# Altium PCB 6 Layers Motherboard.PcbDoc (part 2 of 2)
Units mm, origin at the board's own origin, x right, y up, seen from the top; angles counter-clockwise.
Board outline 83.25 x 83.25 mm, 6 copper layers (Top Layer, Int1 (GND), Int2 (Sign), Int3 (Sign), Int4 (PWR), Bottom Layer), stack 1.551 mm thick; 152 components, 130 nets, 654 pads, 174 vias.
Unrouted connection lines stored in the file: 86.
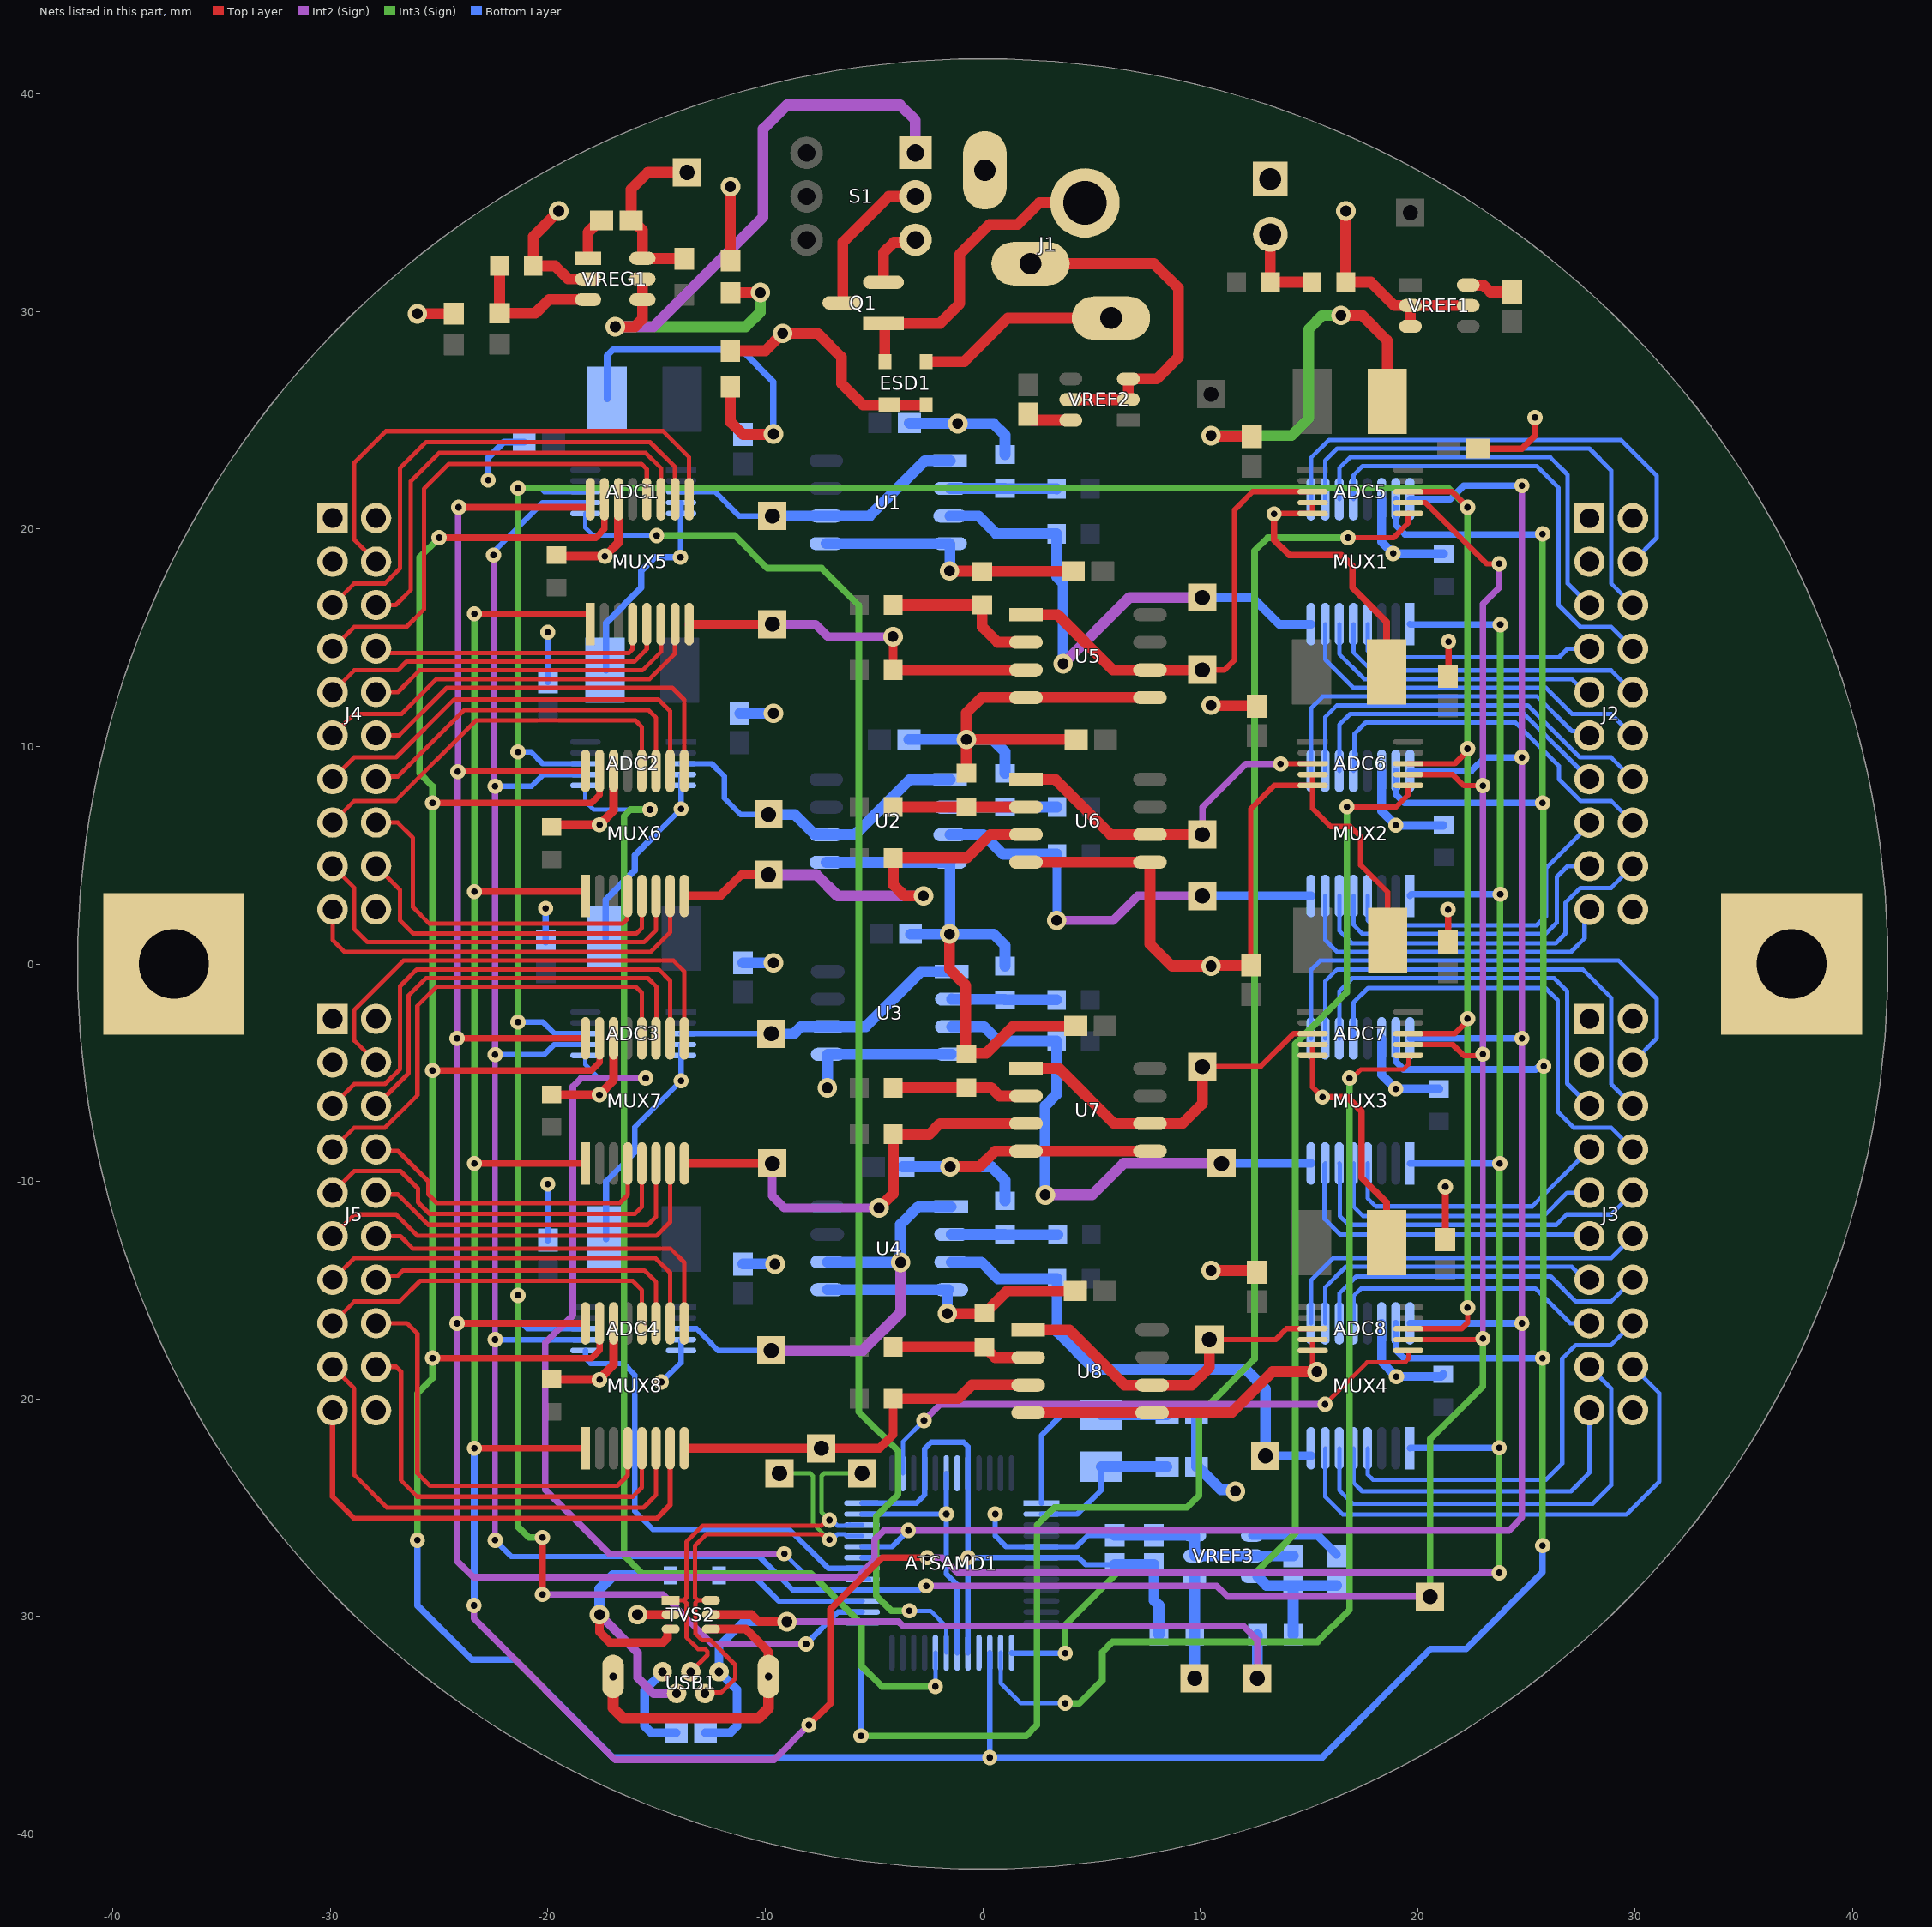
[diagram p6: the nets of this part, all layers, seen from the top]

## Via types
v1: diameter 0.7, hole 0.3, Top Layer to Bottom Layer, 108 vias
v2: diameter 0.9, hole 0.5, Top Layer to Bottom Layer, 66 vias

## Nets (pads, with @x,y where several pads share a name; then routed paths per layer and width w, separated by ;. In a path a pad name is that pad's centre, name@x,y a point inside that pad or via, vN(x,y) a via of type N, cw(c..) or ccw(c..) an arc to the next point about the centre after c; other vN are vias at no path point) (continued)
AGND: ADC1.4 ADC1.5 ADC2.4 ADC2.5 ADC3.4 ADC3.5 ADC4.4 ADC4.5 ADC5.4 ADC5.5 ADC6.4 ADC6.5 ADC7.4 ADC7.5 ADC8.4 ADC8.5 C8.2 C9.1 C10.2 C13.2 C14.1 C15.2 C18.2 C19.1 C20.2 C23.2 C24.1 C25.2 C28.2 C29.1 C30.2 C33.2 C34.1 C35.2 C38.1 C39.2 C40.2 C43.2 C44.1 C45.2 L2.2 R6.2 R9.2 R12.2 R15.2 R18.2 R21.2 R24.2 R27.2 U1.4 U1.5 U2.4 U2.5 U3.4 U3.5 U4.4 U4.5 U5.4 U5.5 U6.4 U6.5 U7.4 U7.5 U8.4 U8.5 | length 252.2
  Top Layer w0.25: C40.2@12.324,-0.074 12.324,7.124 13.411,8.211 ADC6.5@15.175,8.211 ; v1@13.416,20.716 ADC5.5@15.175,20.716 ADC5.4@15.175,21.216 ; v2@15.175,-18.75 ADC8.5@15.175,-17.775 ADC8.4@15.175,-17.275 ; ADC7.4@15.175,-3.706 ADC7.5@15.175,-4.206 15.175,-5.675 v1(15.625,-6.125) ; ADC6.4@15.175,8.711 ADC6.5@15.175,8.211 ; C38.1@18.625,1.075 18.625,3.3 17.375,4.55 17.375,5.85 16.9,6.325 16,6.325 15.175,7.15 ADC6.5@15.175,8.211
  Top Layer w0.3: v1(13.4,20.7) 13.4,19.5 14.1,18.8 16.5,18.8 17,18.3 17,17.3 18.575,15.725 C34.1@18.575,13.425 ; v1(15.625,-6.125) 16.775,-6.125 17.425,-6.775 17.425,-9.825 18.575,-10.975 C44.1@18.575,-12.825
  Top Layer w0.5: L2.2@-11.6,26.583 L2.2@-11.6,26.549 -11.6,24.927 -11.025,24.352 -9.648,24.352 v2(-9.625,24.375) ; v2(-1.625,-16.075) R27.2@0.062,-16.075 ; v2(-1.525,1.375) -1.525,-0.245 -0.773,-0.997 R24.2@-0.773,-4.112 ; v2(-1.525,18.075) -1.515,18.065 R18.2@-0.035,18.065 ; v2(-1.5,-9.325) -0.15,-9.325 0.565,-8.61 U7.4@1.992,-8.61 U7.5@7.692,-8.61 ; R21.2@-0.75,8.773 v2(-0.75,10.325) ; R24.2@-0.727,-4.112 0.163,-4.112 1.425,-2.85 C39.2@4.273,-2.85 ; R18.2@-0.025,18.055 C28.2@4.173,18.055 ; R27.2@0.102,-16.062 1.128,-15.035 C43.2@4.265,-15.035 ; U6.4@1.989,4.677 U6.4@1.992,4.68 U6.5@7.692,4.68 7.692,0.908 8.7,-0.1 v2(10.5,-0.1) ; U8.4@2.092,-20.64 U8.5@7.792,-20.64 11.435,-20.64 13.325,-18.75 v2(15.375,-18.75) ; C33.2@4.298,10.325 v2(-0.75,10.325) ; U5.5@7.692,12.25 U5.4@1.992,12.25 -0.05,12.25 -0.75,11.55 v2(-0.75,10.325) ; v2(10.5,-14.1) 12.527,-14.1 C45.2@12.6,-14.173 ; v2@10.524,11.876 C35.2@12.576,11.876 ; v2@10.524,24.276 C30.2@12.351,24.276 ; v2@10.526,-0.074 C40.2@12.324,-0.074 ; v2(16.475,29.825) 17.45,29.825 18.6,28.675 C29.1@18.6,25.875
  Int3 (Sign) w0.5: v2(10.5,24.3) 14.2,24.3 15,25.1 15,29.2 15.625,29.825 v2(16.475,29.825)
  Bottom Layer w0.25: -17.325,-10 -16,-8.675 -16,-7.5 v1(-13.875,-5.375) ADC3.5@-13.875,-4.206 ADC3.4@-13.875,-3.706 ; -15,6 v1(-13.875,7.125) ADC2.5@-13.875,8.211 ADC2.4@-13.875,8.711 ; v1(-14.775,-19.225) -13.875,-18.325 ADC4.5@-13.875,-17.777 ADC4.4@-13.875,-17.277 ; v1(-13.9,18.7) -13.9,20.716 ADC1.5@-13.875,20.716 ADC1.4@-13.875,21.216
  Bottom Layer w0.3: C19.1@-17.35,1.175 -17.35,2.95 -16,4.3 -16,5 -15,6 ; C24.1@-17.325,-12.65 -17.325,-10 ; C14.1@-17.325,13.5 -17.325,15.675 -15.7,17.3 -15.7,18.074 -15.074,18.7 v1(-13.9,18.7) ; C9.1@-17.275,25.975 -17.275,27.975 -17,28.25 -11.1,28.25 -9.625,26.775 v2(-9.625,24.375)
  Bottom Layer w0.5: C15.2@-11.175,11.527 -11.174,11.526 -9.626,11.526 v2(-9.625,11.525) ; C10.2@-11.025,24.352 -11.013,24.363 -9.637,24.363 v2(-9.625,24.375) ; C25.2@-11.024,-13.799 v2(-9.55,-13.8) ; C20.2@-11.024,0.051 v2@-9.626,0.051 ; U2.5@-7.2,4.67 U2.4@-1.5,4.67 -1.512,4.658 v2@-1.512,1.388 ; U1.5@-7.2,19.33 -1.525,19.33 -1.513,19.318 -1.513,18.088 v2(-1.525,18.075) ; U4.5@-7.15,-14.98 U4.4@-1.579,-14.98 ; v2@-7.137,-5.687 U3.5@-7.137,-4.167 ; U3.5@-7.125,-4.155 U3.4@-1.425,-4.155 ; C23.2@-3.673,-9.325 v2(-1.5,-9.325) 0.4,-9.325 1.025,-9.95 R15.2@1.025,-10.897 ; C13.2@-3.398,10.325 v2(-0.75,10.325) 0.45,10.325 1.025,9.75 R9.2@1.025,8.763 ; C8.2@-3.373,24.875 -3.361,24.863 v2@-1.162,24.863 ; C18.2@-3.323,1.375 v2(-1.525,1.375) 0.5,1.375 1.025,0.85 R12.2@1.025,-0.097 ; v2(-1.625,-16.075) U4.4@-1.625,-15.026 ; v2(-1.15,24.85) 0.5,24.85 1.025,24.325 R6.2@1.025,23.423
  other v2: -7.15,-5.7 -9.625,0.05 10.5,11.9
B1: J2.8 MUX2.4 | length 14.7
  Bottom Layer w0.2: MUX2.4@17.7,3.125 17.7,2.006 17.931,1.775 25.475,1.775 25.9,2.2 25.9,4.4 27.9,6.4 J2.8@27.9,6.498
B2: J2.9 MUX2.5 | length 14.9
  Bottom Layer w0.2: MUX2.5@17.05,3.125 17.05,1.8 17.475,1.375 25.875,1.375 26.4,1.9 26.4,4 26.898,4.498 J2.9@27.9,4.498
B3: J2.12 MUX2.6 | length 17.6
  Bottom Layer w0.2: MUX2.6@16.4,3.125 16.4,1.525 16.975,0.95 26.352,0.95 26.8,1.398 26.8,2.812 27.486,3.498 28.314,3.498 28.9,3.498 J2.12@29.9,4.498
B4: J2.10 MUX2.7 | length 15.9
  Bottom Layer w0.2: MUX2.7@15.75,3.125 15.75,1.1 16.3,0.55 27.05,0.55 27.676,1.176 27.676,2.274 J2.10@27.9,2.498
B5: J2.13 MUX2.12 | length 17
  Bottom Layer w0.2: MUX2.12@17.05,8.875 17.092,8.918 17.092,10.579 17.611,11.098 24.502,11.098 26.5,9.1 26.5,8.484 27.486,7.498 28.314,7.498 28.9,7.498 J2.13@29.9,6.498
B6: J2.7 MUX2.11 | length 15.1
  Bottom Layer w0.2: MUX2.11@16.4,8.875 16.4,11 16.898,11.498 24.9,11.498 J2.7@27.9,8.498
B7: J2.14 MUX2.10 | length 18.3
  Bottom Layer w0.2: MUX2.10@15.75,8.875 15.75,11.35 16.298,11.898 25.066,11.898 27.466,9.498 28.9,9.498 J2.14@29.9,8.498
B8: J2.6 MUX2.9 | length 16.6
  Bottom Layer w0.2: MUX2.9@15.1,8.875 15.1,11.75 15.648,12.298 25.502,12.298 27.094,10.706 27.692,10.706 J2.6@27.9,10.498
D0: ATSAMD1.31 MUX1.1 MUX2.1 MUX3.1 MUX4.1 MUX5.1 MUX6.1 MUX7.1 MUX8.1 | length 186.6
  Top Layer w0.3: v1(-23.375,-22.275) MUX8.1@-18.275,-22.275 ; v1(-23.375,3.325) -18.335,3.325 MUX6.1@-18.335,3.4 ; v1(-23.375,16.1) -18.085,16.1 MUX5.1@-18.05,16.065 ; v1(-23.375,-9.175) MUX7.1@-18.275,-9.175 ; v1(-8,-35) -7,-34 -7,-29.672 -4.628,-27.3 v1(-2.55,-27.3)
  Int2 (Sign) w0.3: v1(-23.4,-29.5) -23.4,-30.1 -16.9,-36.6 -9.6,-36.6 v1(-8,-35) ; v1(-2.55,-27.3) -1.875,-27.3 -1.175,-28 v1(23.75,-28)
  Int3 (Sign) w0.3: v1(-23.375,-22.275) v1(-23.375,-9.175) v1(-23.375,3.325) v1(-23.375,16.1) ; v1(23.75,-28) 23.751,-27.999 23.751,-22.254 v1(23.753,-22.253) v1@23.775,-22.275 ; v1@23.776,-22.275 v1(23.776,-9.175) 23.788,-9.164 23.788,3.188 v1(23.8,3.2) v1(23.8,15.6)
  Bottom Layer w0.25: ATSAMD1.31@-5.55,-27.3 v1(-2.55,-27.3)
  Bottom Layer w0.3: v1@-23.387,-29.488 -23.387,-22.287 v1(-23.375,-22.275) ; MUX4.1@19.65,-22.275 19.673,-22.253 v1(23.753,-22.253) ; MUX3.1@19.65,-9.175 v1(23.776,-9.175) ; MUX2.1@19.65,3.125 19.65,3.14 19.71,3.2 v1(23.8,3.2) ; MUX1.1@19.65,15.624 19.674,15.6 v1(23.8,15.6)
D1: ATSAMD1.32 MUX1.16 MUX2.16 MUX3.16 MUX4.16 MUX5.16 MUX6.16 MUX7.16 MUX8.16 | length 194.2
  Top Layer w0.3: v1(-24.175,-16.525) MUX8.16@-18.275,-16.525 ; v1(-24.175,-3.425) MUX7.16@-18.275,-3.425 ; v1(-24.14,8.84) -24.105,8.875 MUX6.16@-18.275,8.875 ; v1(-24.1,21) -18.106,21 MUX5.16@-18.05,21.056
  Int2 (Sign) w0.3: v1(-24.1,21) -24.12,20.98 -24.12,8.861 v1(-24.14,8.84) -24.158,8.823 -24.158,-3.408 v1(-24.175,-3.425) v1(-24.175,-16.525) -24.175,-27.45 -23.425,-28.2 -5.775,-28.2 -4.975,-27.4 -4.975,-26.475 -4.55,-26.05 v1(-3.425,-26.05) 24.2,-26.05 24.8,-25.45 v1(24.8,-16.525) v1(24.8,-3.425) v1(24.8,9.5) v1(24.8,22)
  Bottom Layer w0.25: ATSAMD1.32@-5.55,-26.8 -4.175,-26.8 v1(-3.425,-26.05)
  Bottom Layer w0.3: MUX4.16@19.65,-16.525 v1(24.8,-16.525) ; MUX2.16@19.65,8.875 22.475,8.875 23.1,9.5 v1(24.8,9.5) ; MUX1.16@19.65,21.374 21.499,21.374 22.125,22 v1(24.8,22) ; MUX3.16@19.65,-3.425 v1(24.8,-3.425)
D2: ATSAMD1.15 MUX1.15 MUX2.15 MUX3.15 MUX4.15 MUX5.15 MUX6.15 MUX7.15 MUX8.15 | length 229.2
  Top Layer w0.3: v1(-25.3,-18.125) -18,-18.125 -17.625,-17.75 MUX8.15@-17.625,-16.525 ; v1(-25.3,-4.9) -18,-4.9 -17.625,-4.525 MUX7.15@-17.625,-3.425 ; v1(-25.3,7.4) -18,7.4 -17.625,7.775 MUX6.15@-17.625,8.875 ; v1(-25,19.6) -17.8,19.6 -17.4,20 MUX5.15@-17.4,21.374
  Int3 (Sign) w0.3: v1(-26,-26.5) -26,-19.75 -25.3,-19.05 v1(-25.3,-18.125) v1(-25.3,-4.9) v1(-25.3,7.4) -25.3,8.175 -25.9,8.775 -25.9,18.7 v1(-25,19.6) ; v1(25.75,-26.75) v1(25.75,-18.125) 25.775,-18.1 25.775,-4.725 v1(25.8,-4.7) 25.775,-4.675 25.775,7.375 v1(25.75,7.4) v1(25.75,19.775)
  Bottom Layer w0.25: v1(0.325,-36.5) ATSAMD1.15@0.325,-31.675
  Bottom Layer w0.3: v1(-26,-26.5) -26,-29.5 -23.5,-32 -21.5,-32 -17,-36.5 v1(0.325,-36.5) 15.6,-36.5 20.6,-31.5 22.225,-31.5 25.75,-27.975 v1(25.75,-26.75) ; MUX4.15@19,-16.525 19,-17.75 19.375,-18.125 v1(25.75,-18.125) ; MUX3.15@19,-3.425 19.013,-3.438 19.013,-4.513 19.35,-4.85 25.424,-4.85 25.498,-4.777 25.723,-4.777 v1(25.8,-4.7) ; MUX2.15@19,8.875 19.013,8.862 19.013,7.787 19.4,7.4 v1(25.75,7.4) ; MUX1.15@19,21.374 19,20.175 19.425,19.75 25.725,19.75 v1(25.75,19.775)
D3: ATSAMD1.16
D4: ADC1.6 ATSAMD1.19 | length 66.4
  Int3 (Sign) w0.3: v1(-15,19.7) -11.4,19.7 -9.9,18.2 -7.398,18.2 -5.7,16.502 -5.7,-20.6 -3.9,-22.4 -3.9,-24.4 -4.9,-25.4 -4.9,-29.05 -4.2,-29.75 v1(-3.375,-29.75)
  Bottom Layer w0.2: ADC1.6@-18.275,20.716 -18.275,20.065 -17.91,19.7 v1(-15,19.7) ; v1(-3.375,-29.75) -2.4,-29.75 -1.675,-30.475 ATSAMD1.19@-1.675,-31.675
D5: ADC2.6 ATSAMD1.20 | length 58.7
  Int3 (Sign) w0.3: v1(-15.3,7.1) -16.2,7.1 -16.5,6.8 -16.5,-27.2 -15.675,-28.025 -7.903,-28.025 -5.575,-30.353 -5.575,-32.3 -4.65,-33.225 v1(-2.175,-33.225)
  Bottom Layer w0.2: ADC2.6@-18.275,8.211 -18.275,7.475 -17.9,7.1 v1(-15.3,7.1) ; v1(-2.175,-33.225) ATSAMD1.20@-2.175,-31.675
D6: ADC3.6 ATSAMD1.29 | length 42.6
  Int2 (Sign) w0.3: v1(-15.5,-5.25) -18.475,-5.25 -18.85,-5.625 -18.85,-16.15 -20.125,-17.425 -20.125,-24.175 -17.175,-27.125 v1(-9.125,-27.125)
  Bottom Layer w0.2: ADC3.6@-18.275,-4.206 -18.275,-4.625 -17.65,-5.25 v1(-15.5,-5.25) ; v1(-9.125,-27.125) -7.95,-28.3 ATSAMD1.29@-5.55,-28.3 ATSAMD1.29@-5.225,-28.3
D7: ADC4.6 ATSAMD1.30 | length 20.8
  Bottom Layer w0.25: ADC4.6@-18.275,-17.777 -18.275,-18.134 -18.034,-18.375 -16.525,-18.375 -16,-18.9 -16,-25.175 -15.175,-26 -8.9,-26 -7.1,-27.8 ATSAMD1.30@-5.55,-27.8
D8: ADC5.6 ATSAMD1.25 | length 83.3
  Top Layer w0.25: v1(16.8,19.6) 18.9,19.6 19.575,20.275 ADC5.6@19.575,20.716
  Int3 (Sign) w0.3: v1(-5.6,-35.5) 2,-35.5 2.5,-35 2.5,-25.8 3.3,-25 9.4,-25 9.95,-24.45 9.95,-20.725 12.5,-18.175 12.5,19 13.1,19.6 v1(16.8,19.6)
  Bottom Layer w0.25: v1(-5.6,-35.5) -5.6,-30.301 -5.599,-30.3 ATSAMD1.25@-5.55,-30.3
D11: ADC6.6 ATSAMD1.13 | length 54
  Top Layer w0.25: v1(16.75,7.225) 19.025,7.225 19.575,7.775 ADC6.6@19.575,8.211
  Int3 (Sign) w0.3: v1(3.8,-31.7) 3.8,-30.4 6.2,-28 12.55,-28 14.375,-26.175 14.375,-3.675 16.75,-1.3 v1(16.75,7.225)
  Bottom Layer w0.25: ATSAMD1.13@1.326,-31.7 v1(3.8,-31.7) ; ATSAMD1.13@1.325,-31.699 ATSAMD1.13@1.325,-31.675
D12: ADC7.6 ATSAMD1.14 | length 48.2
  Top Layer w0.2: v1(16.875,-5.25) 16.994,-5.25 17.394,-4.85 19.35,-4.85 19.575,-4.625 ADC7.6@19.575,-4.206
  Int3 (Sign) w0.3: v1(3.8,-34) 4.45,-34 5.5,-32.95 5.5,-32 5.5,-31.65 5.975,-31.175 15.4,-31.175 16.875,-29.7 v1(16.875,-5.25)
  Bottom Layer w0.2: ATSAMD1.14@0.825,-31.675 0.825,-33.075 1.75,-34 v1(3.8,-34)
D13: ADC8.6 ATSAMD1.38 | length 26.7
  Top Layer w0.2: v1(15.75,-20.25) 17.675,-18.325 19.425,-18.325 19.575,-18.175 ADC8.6@19.575,-17.775
  Int2 (Sign) w0.3: v1(-2.7,-21) -1.95,-20.25 v1(15.75,-20.25)
  Bottom Layer w0.2: ATSAMD1.38@-3.675,-23.425 -3.675,-21.975 v1(-2.7,-21)
D_N: ATSAMD1.33 TP23.1 TVS2.6 USB1.2 | length 22.4
  Top Layer w0.2: USB1.2@-12.736,-33.511 -12.025,-33.511 -11.375,-32.861 -11.375,-32.239 -12.526,-31.089 -12.922,-31.089 -13.217,-30.794 -13.217,-29.382 -13.1,-29.265 ; TVS2.6@-12.498,-29.265 -13.1,-29.265 ; v1(-7.05,-26.475) -7.167,-26.475 -7.417,-26.225 -12.709,-26.225 -13.225,-26.741 -13.225,-29.147 -13.108,-29.265 -13.1,-29.265
  Int3 (Sign) w0.2: TP23.1@-9.35,-23.425 -7.934,-23.425 -7.817,-23.542 -7.817,-25.208 -7.817,-25.727 -7.167,-26.377 -7.167,-26.475 v1(-7.05,-26.475)
  Bottom Layer w0.2: v1@-6.933,-26.475 -6.683,-26.225 -6.341,-26.225 -6.266,-26.3 ATSAMD1.33@-5.55,-26.3
D_P: ATSAMD1.34 TP24.1 TVS2.1 USB1.3 | length 20.6
  Top Layer w0.2: TVS2.1@-14.352,-29.265 -13.75,-29.265 ; USB1.3@-13.425,-32.55 -12.662,-31.787 -12.662,-31.622 -12.78,-31.505 -13.095,-31.505 -13.633,-30.966 -13.633,-29.382 -13.75,-29.265 ; v1@-7.167,-25.575 -7.417,-25.825 -12.875,-25.825 -13.625,-26.575 -13.625,-29.147 -13.742,-29.265 -13.75,-29.265
  Int3 (Sign) w0.2: v1(-7.05,-25.575) -7.417,-25.208 -7.417,-23.542 -7.3,-23.425 TP24.1@-5.55,-23.425
  Bottom Layer w0.2: v1@-6.933,-25.575 -6.683,-25.825 -6.314,-25.825 -6.299,-25.81 ATSAMD1.34@-5.561,-25.81 ; ATSAMD1.34@-6.124,-25.775 -6.099,-25.8 ATSAMD1.34@-5.55,-25.8
DGND: ATSAMD1.5 ATSAMD1.18 ATSAMD1.35 ATSAMD1.42 C2.1 C4.1 C6.1 C7.2 C11.1 C12.2 C16.1 C17.2 C21.1 C22.2 C26.1 C27.2 C31.1 C32.2 C36.1 C37.2 C41.1 C42.2 C47.1 C48.2 C49.1 C50.1 C51.1 C52.1 ESD1.1 ESD1.2 J1.3 J1.S1 J2.1 J2.2 J2.11 J2.20 J3.1 J3.2 J3.11 J3.20 J4.1 J4.2 J4.11 J4.20 J5.1 J5.2 J5.11 J5.20 L2.1 LED1.1 M1.1 M2.1 MUX1.14 MUX2.14 MUX3.14 MUX4.14 MUX5.14 MUX6.14 MUX7.14 MUX8.14 Q1.2 R2.1 R3.2 S1.3 TVS2.2 USB1.5 VREF1.2 VREF1.3 VREF1.5 VREF2.2 VREF2.3 VREF2.5 VREF3.2 VREF3.3 VREF3.5 VREG1.2 | length 149.1
  Top Layer w0.3: C42.2@21.275,-12.673 v1(21.275,-10.25) ; C37.2@21.4,1.002 v1(21.4,2.5) ; C32.2@21.4,13.227 21.425,13.252 v1(21.425,14.825) ; C27.2@22.777,23.7 24.8,23.7 25.4,24.3 v1(25.4,25.125)
  Top Layer w0.4: C36.1@-19.825,-6 -19.817,-6.008 -17.636,-6.008 v1(-17.628,-6.017) ; C41.1@-19.813,-19.112 v1@-17.638,-19.112 ; C31.1@-19.725,6.4 v1(-17.625,6.4) -16.975,7.05 MUX6.14@-16.975,8.875 ; C26.1@-19.6,18.799 -19.551,18.75 v1(-17.375,18.75) -16.75,19.375 MUX5.14@-16.75,21.374 ; v1@-17.625,-19.081 -16.975,-18.431 MUX8.14@-16.975,-16.525 ; v1@-17.625,-6 -16.975,-5.35 MUX7.14@-16.975,-3.425 ; v2(-15.875,-29.925) TVS2.2@-14.352,-29.925
  Top Layer w0.5: v2@-25.998,29.898 C4.1@-24.327,29.898 ; v2(-19.5,34.625) -20.672,33.453 R3.2@-20.672,32.1 -19.675,32.1 -19.075,31.5 VREG1.2@-18.15,31.5 ; L2.1@-11.6,28.2 -10,28.2 v2(-9.2,29) -7.6,29 -6.5,27.9 -6.5,26.7 -5.5,25.7 ESD1.2@-2.6,25.7 ; C2.1@-11.6,32.327 v2(-11.6,35.75) ; Q1.2@-4.565,31.35 -4.565,32.71 -4.088,33.187 S1.3@-3.213,33.187 ; J1.3@2.2,32.2 7.875,32.2 9,31.075 9,27.9 8.002,26.902 VREF2.3@6.7,26.902 VREF2.2@6.7,25.952 VREF2.5@4.05,25.952 ; R2.1@16.702,31.352 v2@16.702,34.623 ; R2.1@16.703,31.35 17.85,31.35 18.925,30.275 VREF1.2@19.675,30.275 ; VREF1.3@19.675,29.325 VREF1.2@19.675,30.275 ; VREF1.5@22.325,30.275 VREF1.2@19.675,30.275
  Bottom Layer w0.25: ATSAMD1.35@-5.55,-25.3 v1(-1.675,-25.3) ; ATSAMD1.42@-1.675,-23.425 v1(-1.675,-25.3) ; ATSAMD1.18@-1.175,-31.675 -1.175,-28.55 -1.675,-28.05 v1(-1.675,-25.3) ; v1(0.575,-25.3) 0.575,-26.3 1.075,-26.8 ATSAMD1.5@2.7,-26.8 4.31,-26.8 4.837,-26.273 C48.2@6.075,-26.273
  Bottom Layer w0.3: v1(-22.75,22.25) -22.75,23.275 -22.025,24 C7.2@-21.089,24 ; C17.2@-20.1,1 v1(-20.1,2.55) ; C22.2@-20,-12.698 v1(-20,-10.125) ; C12.2@-20,12.977 v1(-20,15.25) ; C6.1@21.188,18.862 C6.1@21.2,18.85
  Bottom Layer w0.4: USB1.5@-14.725,-32.575 -15.55,-33.4 -15.55,-35.05 -15.25,-35.35 C50.1@-14.102,-35.35 ; MUX4.14@18.35,-16.525 18.35,-18.3 v1(19.025,-18.975) 21.075,-18.975 C21.1@21.175,-18.875 ; MUX3.14@18.35,-3.425 18.35,-5.1 v1(19,-5.75) C16.1@20.975,-5.75 ; MUX2.14@18.35,8.875 18.35,7.025 v1(19,6.375) C11.1@21.175,6.375 ; MUX1.14@18.35,21.374 18.35,19.4 v1(18.875,18.875) ; v1@18.887,18.862 C6.1@21.188,18.862
  Bottom Layer w0.5: C48.2@6.075,-26.273 C47.1@7.875,-26.273 VREF3.3@9.75,-26.273 VREF3.2@9.75,-27.223 VREF3.5@12.4,-27.223 C49.1@14.275,-27.223 ; C52.1@9.827,-23.125 C51.1@9.827,-20.725 ; C52.1@9.9,-23.125 10.948,-24.173 v2@11.548,-24.173
  other v1: -17.625,-19.125
  other v2: 11.625,-24.25 -26,29.9 16.7,34.625
E1: J3.13 MUX4.4 | length 19.8
  Bottom Layer w0.2: MUX4.4@17.7,-22.275 17.7,-23.475 17.95,-23.725 25.9,-23.725 26.65,-22.975 26.65,-18.15 27.275,-17.525 28.9,-17.525 J3.13@29.9,-16.525 J3.13@29.454,-16.525
E2: J3.10 MUX4.5 | length 15.8
  Bottom Layer w0.2: MUX4.5@17.05,-22.275 17.05,-23.85 17.45,-24.25 27.05,-24.25 27.9,-23.4 J3.10@27.9,-20.525
E3: J3.9 MUX4.6 | length 20.9
  Bottom Layer w0.2: MUX4.6@16.4,-22.275 16.4,-24.2 17.025,-24.825 28.05,-24.825 28.9,-23.975 28.9,-19.525 J3.9@27.9,-18.525
E4: J3.12 MUX4.7 | length 24.4
  Bottom Layer w0.2: MUX4.7@15.75,-22.275 15.75,-24.5 16.575,-25.325 29.6,-25.325 31.125,-23.8 31.125,-19.75 J3.12@29.9,-18.525
E5: J3.8 MUX4.12 | length 12.9
  Bottom Layer w0.2: MUX4.12@17.05,-16.525 17.05,-15.275 17.4,-14.925 25.425,-14.925 27.017,-16.517 27.893,-16.517 J3.8@27.9,-16.525
E6: J3.14 MUX4.11 | length 16.1
  Bottom Layer w0.2: MUX4.11@16.4,-16.525 16.4,-15.15 17.175,-14.375 26.125,-14.375 27.275,-15.525 28.314,-15.525 28.9,-15.525 J3.14@29.9,-14.525
E7: J3.7 MUX4.10 | length 14.4
  Bottom Layer w0.2: MUX4.10@15.75,-16.525 15.75,-14.875 16.7,-13.925 27.086,-13.925 27.686,-14.525 J3.7@27.9,-14.525
E8: J3.15 MUX4.9 | length 17.6